# KiCad board ChunkyV2.kicad_pcb (continued)
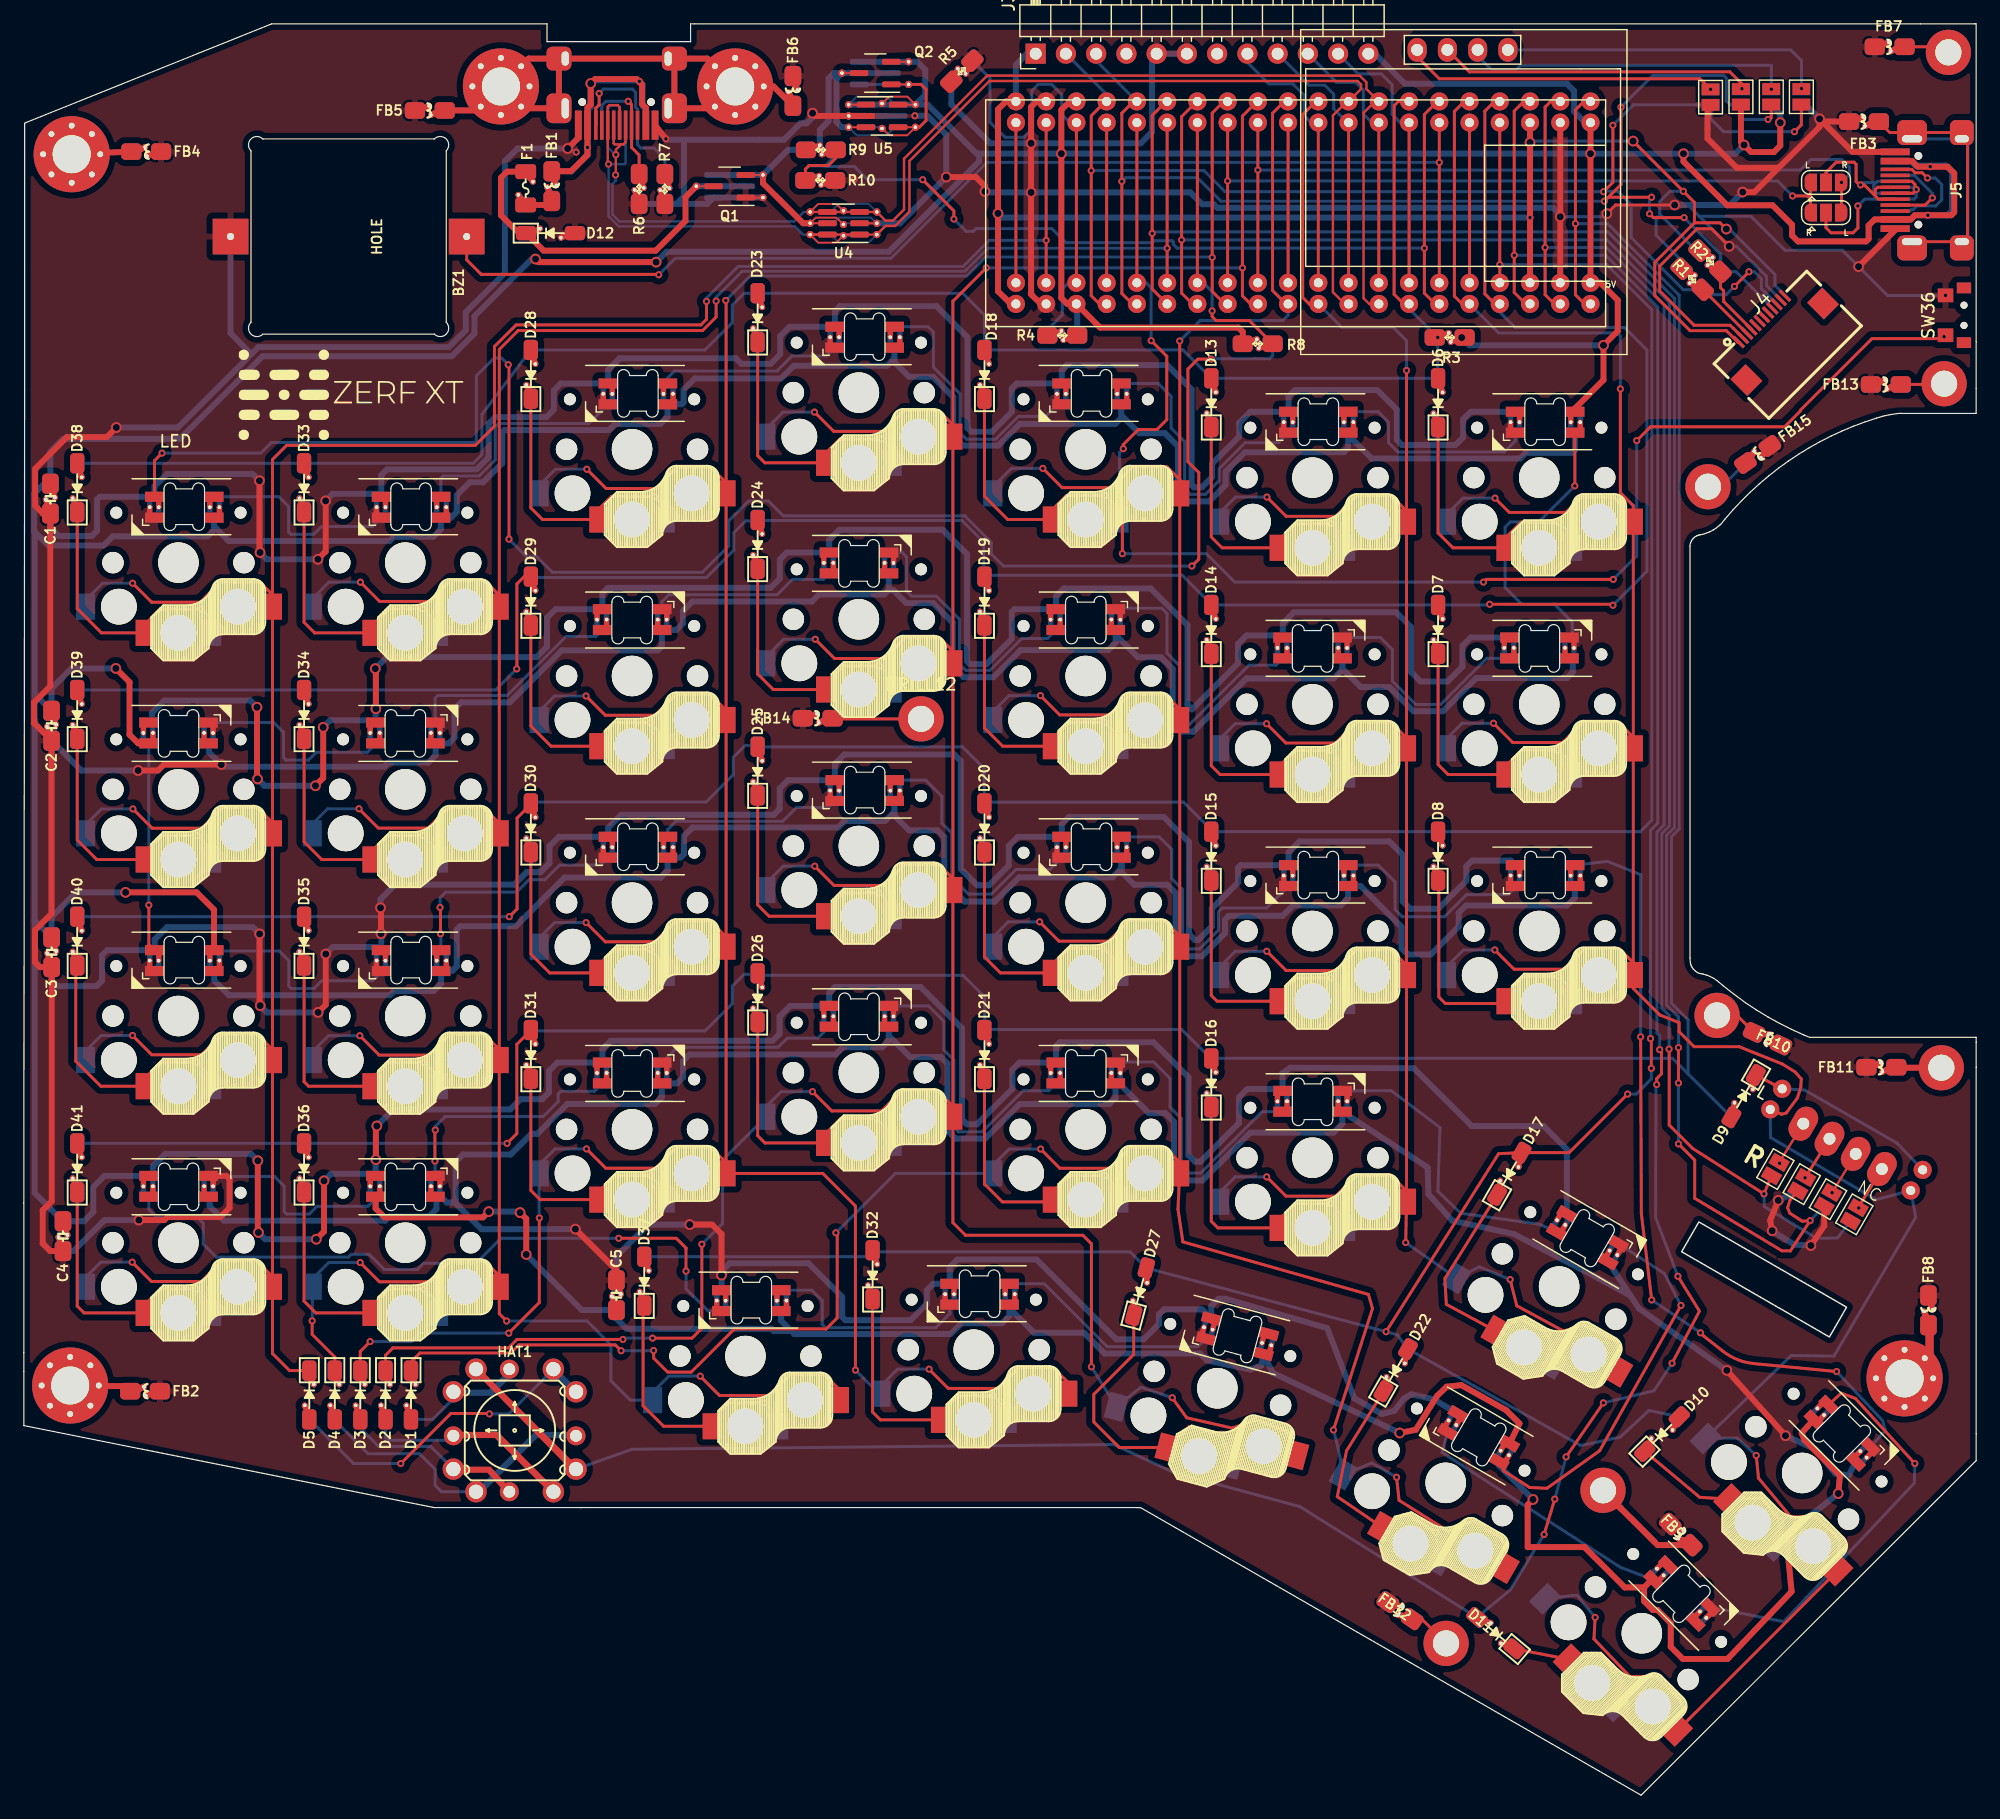
[diagram p0: board, top side]
## Footprints (pads in the part's own frame, mm; a bottom-side part is the same pattern mirrored in y, then rotated) (continued)
  custom 0.6x0.6 smd far side: 1(-2.8,0.95) 2(-2.8,-0.95) 3(2.8,0)
  rrect 1.56x0.495 smd: 1(-1.35,0.95) 2(-1.35,-0.95) 3(1.35,0)
  rrect 1.56x0.495 smd far side: 1(1.35,0.95) 2(1.35,-0.95) 3(-1.35,0)
SOT-23-5
  round 0.6 hole 0.3: 1(-2.8,0.95) 2(-2.8,0) 3(-2.8,-0.95) 4(0,-1.05) 4(2.8,-0.95) 5(0,1.05) 5(2.8,0.95)
  custom 2.5x0.6 smd: 1(-2.8,0.95) 2(-2.8,0) 3(-2.8,-0.95) 4(2.8,-0.95) 5(2.8,0.95)
  custom 5.2x1.055 smd far side: 1(-2.8,0.95) 3(-2.8,-0.95)
  rrect 1.56x0.495 smd: 1(-1.35,0.95) 2(-1.35,0) 3(-1.35,-0.95) 4(1.35,-0.95) 5(1.35,0.95)
  rrect 1.56x0.495 smd far side: 1(1.35,0.95) 2(1.35,0) 3(1.35,-0.95) 4(-1.35,-0.95) 5(-1.35,0.95)
  custom 5.2x0.6 smd far side: 2(-2.8,0)
  custom 2.4x0.6 smd far side: 4(0,-1.05) 5(0,1.05)
  custom 3.4x1.055 smd: 4(2.8,-0.95) 5(2.8,0.95)
SOT-23-6
  round 0.6 hole 0.3: 1(-2.8,0.95) 2(-2.8,0) 3(-2.8,-0.95) 4(0,-1.05) 4(2.8,-0.95) 5(0,0.1) 5(2.8,0) 6(0,1.05) 6(2.8,0.95)
  custom 2.5x0.6 smd: 1(-2.8,0.95) 2(-2.8,0) 3(-2.8,-0.95) 4(2.8,-0.95) 5(2.8,0) 6(2.8,0.95)
  custom 5.2x1.055 smd far side: 1(-2.8,0.95) 3(-2.8,-0.95)
  rrect 1.56x0.495 smd: 1(-1.35,0.95) 2(-1.35,0) 3(-1.35,-0.95) 4(1.35,-0.95) 5(1.35,0) 6(1.35,0.95)
  rrect 1.56x0.495 smd far side: 1(1.35,0.95) 2(1.35,0) 3(1.35,-0.95) 4(-1.35,-0.95) 5(-1.35,0) 6(-1.35,0.95)
  custom 5.2x0.855 smd far side: 2(-2.8,0)
  custom 2.4x0.6 smd far side: 4(0,-1.05) 5(0,0.1) 6(0,1.05)
  custom 3.4x1.055 smd: 4(2.8,-0.95) 6(2.8,0.95)
  custom 3.4x0.955 smd: 5(2.8,0)

## Nets
+3V3: J3.1 J4.1 R1.2 R2.2 U3.20 U3.38
/VBUS_BLOCKED: Q1.2 Q2.3 R9.1 U4.5 U5.3
/VBUS_FERRITE: F1.2 FB1.1
/VBUS_FUSED: D12.1 F1.1 Q1.3
GND: BZ1.2 C1.2 C2.2 C3.2 C4.2 C5.2 D12.2 FB2.2 FB3.2 FB4.2 FB5.2 FB6.2 FB7.2 FB8.2 FB9.2 FB10.2 FB11.2 FB12.2 FB13.2 FB14.2 FB15.2 J3.5 J3.6 J4.2 J5.A1 J5.B1 JP1.2 JP8.2 JP17.2 JP18.2 Q1.1 R5.2 R6.2 R7.1 R10.2 SW1.3 SW2.3 SW3.3 SW4.3 SW6.3 SW7.3 SW8.3 SW9.3 SW10.3 SW11.3 SW12.3 SW13.3 SW14.3 SW15.3 SW16.3 SW17.3 SW18.3 SW19.3 SW20.3 SW21.3 SW22.3 SW23.3 SW24.3 SW25.3 SW26.3 SW27.3 SW28.3 SW29.3 SW30.3 SW31.3 SW32.3 SW33.3 SW34.3 SW35.3 SW36.1 U3.19 U3.39 U4.2 U5.2 USB1.A1 USB1.B1
VDD: C1.1 C2.1 C3.1 C4.1 C5.1 J3.12 J5.A4 J5.B4 JP2.2 JP7.2 Q2.2 R3.1 R4.1 R8.2 SW1.1 SW2.1 SW3.1 SW4.1 SW6.1 SW7.1 SW8.1 SW9.1 SW10.1 SW11.1 SW12.1 SW13.1 SW14.1 SW15.1 SW16.1 SW17.1 SW18.1 SW19.1 SW20.1 SW21.1 SW22.1 SW23.1 SW24.1 SW25.1 SW26.1 SW27.1 SW28.1 SW29.1 SW30.1 SW31.1 SW32.1 SW33.1 SW34.1 SW35.1 U3.18 U3.40 U5.1 U5.5
/SHIELD1: DRILL3.1 FB4.1
/SHIELD4: DRILL6.1 FB7.1
/SHIELD5: DRILL7.1 FB8.1
/SHIELD6: DRILL8.1 FB9.1
/SHIELD7: DRILL9.1 FB12.1
/SHIELD8: DRILL1.1 FB2.1
/SHIELD9: DRILL2.1 FB10.1
/SHIELD10: DRILL10.1 FB13.1
/SHIELD11: DRILL12.1 FB14.1
/SHIELD12: DRILL13.1 FB15.1
/SHIELD13: DRILL11.1 FB11.1
AUDIO: BZ1.1 U3.35
cc1: R6.1 USB1.A5
cc2: R7.2 USB1.B5
col0: D5.1 SW32.6 SW33.6 SW34.6 SW35.6 U3.22
col1: D4.1 SW27.6 SW28.6 SW29.6 SW30.6 SW31.6 U3.26
col2: D3.1 SW22.6 SW23.6 SW24.6 SW25.6 SW26.6 U3.13
col3: D2.1 SW17.6 SW18.6 SW19.6 SW20.6 SW21.6 U3.12
col4: D1.1 SW12.6 SW13.6 SW14.6 SW15.6 SW16.6 U3.11
col5: SW7.6 SW8.6 SW9.6 SW10.6 SW11.6 U3.10
col6: SW1.6 SW2.6 SW3.6 SW4.6 SW5.S2 SW6.6 U3.5
CS: J3.11 U3.34
D+: U3.9 U4.1 U4.6 USB1.A6 USB1.B6
D-: U3.8 U4.3 U4.4 USB1.A7 USB1.B7
DD1: J5.A7 J5.B7 JP25.2
DD2: J5.A6 J5.B6 JP26.2
ENCA: JP19.2 JP20.2 U3.14
ENCB: JP21.2 JP22.2 U3.15
LED: R8.1 SW32.4 U3.27
M: JP19.1 JP23.1 SW5.A
MISO: J3.9 U3.32
MOSI: J3.10 U3.33
N: JP18.1 JP22.1 SW5.B
O: JP17.1 JP21.1 SW5.C
P: JP20.1 JP24.1 SW5.D
PLUG: R9.2 R10.1 U3.6
RESET: SW36.2 U3.25
row0: D6.2 D13.2 D18.2 D23.2 D28.2 D33.2 D38.2 R3.2 U3.7
row1: D7.2 D14.2 D19.2 D24.2 D29.2 D34.2 D39.2 U3.4
row2: D8.2 D15.2 D20.2 D25.2 D30.2 D35.2 D40.2 U3.37
row3: D9.2 D16.2 D21.2 D26.2 D31.2 D36.2 D41.2 U3.1
row4: D10.2 D17.2 D22.2 D27.2 D32.2 D37.2 U3.3
row5: D11.2 HAT1.4 U3.2
SCK: J3.8 U3.31
SCL: J3.3 J4.4 JP3.2 JP6.2 R2.1 U3.16
SDA: J3.2 J4.3 JP4.2 JP5.2 R1.1 U3.17
SHIELD: DRILL4.1 DRILL5.1 FB5.1 FB6.1 USB1.S1
SPLIT_HAND: R4.2 R5.1 U3.23
USART3_RX: JP25.3 JP26.3 U3.29
USART3_TX: JP25.1 JP26.1 U3.28
V_USB: FB1.2 USB1.A4 USB1.B4
Net-(D1-Pad2): D1.2 HAT1.1
Net-(D2-Pad2): D2.2 HAT1.2
Net-(D3-Pad2): D3.2 HAT1.3
Net-(D4-Pad2): D4.2 HAT1.5
Net-(D5-Pad2): D5.2 HAT1.6
Net-(D6-Pad1): D6.1 SW1.5
Net-(D7-Pad1): D7.1 SW2.5
Net-(D8-Pad1): D8.1 SW3.5
Net-(D9-Pad1): D9.1 SW5.S1
Net-(D10-Pad1): D10.1 SW4.5
Net-(D11-Pad1): D11.1 SW6.5
Net-(D13-Pad1): D13.1 SW7.5
Net-(D14-Pad1): D14.1 SW8.5
Net-(D15-Pad1): D15.1 SW9.5
Net-(D16-Pad1): D16.1 SW10.5
Net-(D17-Pad1): D17.1 SW11.5
Net-(D18-Pad1): D18.1 SW12.5
Net-(D19-Pad1): D19.1 SW13.5
Net-(D20-Pad1): D20.1 SW14.5
Net-(D21-Pad1): D21.1 SW15.5
Net-(D22-Pad1): D22.1 SW16.5
Net-(D23-Pad1): D23.1 SW17.5
Net-(D24-Pad1): D24.1 SW18.5
Net-(D25-Pad1): D25.1 SW19.5
Net-(D26-Pad1): D26.1 SW20.5
Net-(D27-Pad1): D27.1 SW21.5
Net-(D28-Pad1): D28.1 SW22.5
Net-(D29-Pad1): D29.1 SW23.5
Net-(D30-Pad1): D30.1 SW24.5
Net-(D31-Pad1): D31.1 SW25.5
Net-(D32-Pad1): D32.1 SW26.5
Net-(D33-Pad1): D33.1 SW27.5
Net-(D34-Pad1): D34.1 SW28.5
Net-(D35-Pad1): D35.1 SW29.5
Net-(D36-Pad1): D36.1 SW30.5
Net-(D37-Pad1): D37.1 SW31.5
Net-(D38-Pad1): D38.1 SW32.5
Net-(D39-Pad1): D39.1 SW33.5
Net-(D40-Pad1): D40.1 SW34.5
Net-(D41-Pad1): D41.1 SW35.5
Net-(FB3-Pad1): FB3.1 J5.S1
Net-(J1-Pad1): J1.1 JP4.1 JP8.1
Net-(J1-Pad2): J1.2 JP3.1 JP7.1
Net-(J1-Pad3): J1.3 JP2.1 JP6.1
Net-(J1-Pad4): J1.4 JP1.1 JP5.1
Net-(Q2-Pad1): Q2.1 U5.4
Net-(SW1-Pad2): SW1.2 SW2.4
Net-(SW1-Pad4): SW1.4 SW7.2
Net-(SW2-Pad2): SW2.2 SW8.4
Net-(SW3-Pad2): SW3.2 SW4.4
Net-(SW3-Pad4): SW3.4 SW9.2
Net-(SW4-Pad2): SW4.2 SW6.4
Net-(SW10-Pad2): SW10.2 SW15.4
Net-(SW10-Pad4): SW10.4 SW11.2
Net-(SW11-Pad4): SW11.4 SW16.2
Net-(SW12-Pad2): SW7.4 SW12.2
Net-(SW12-Pad4): SW12.4 SW17.2
Net-(SW13-Pad2): SW13.2 SW18.4
Net-(SW13-Pad4): SW8.2 SW13.4
Net-(SW14-Pad2): SW9.4 SW14.2
Net-(SW14-Pad4): SW14.4 SW19.2
Net-(SW15-Pad2): SW15.2 SW20.4
Net-(SW16-Pad4): SW6.2 SW16.4
Net-(SW17-Pad4): SW17.4 SW22.2
Net-(SW18-Pad2): SW18.2 SW23.4
Net-(SW19-Pad4): SW19.4 SW24.2
Net-(SW20-Pad2): SW20.2 SW25.4
Net-(SW21-Pad4): SW21.4 SW26.2
Net-(SW22-Pad4): SW22.4 SW27.2
Net-(SW23-Pad2): SW23.2 SW28.4
Net-(SW24-Pad4): SW24.4 SW29.2
Net-(SW25-Pad2): SW25.2 SW30.4
Net-(SW26-Pad4): SW26.4 SW31.2
Net-(SW27-Pad4): SW27.4 SW32.2
Net-(SW28-Pad2): SW28.2 SW33.4
Net-(SW29-Pad4): SW29.4 SW34.2
Net-(SW30-Pad2): SW30.2 SW35.4
Net-(SW31-Pad4): SW31.4 SW35.2
Net-(SW33-Pad2): SW33.2 SW34.4

Pads without a net: J3 4 7; J4 5 6 7 8 9 10 11 12 13 14; J5 A5 B5 ~; JP23 2; JP24 2; SW21 2; U3 21 24 30 36; USB1 ~

## Via types
v1: diameter 0.9, hole 0.6, Top to Bottom, 70 vias
v2: diameter 0.6, hole 0.3, Top to Bottom, 205 vias

## Routing (per net, layer and track width the routed paths; a pad name or vN(x,y) marks a point on that pad's centre or on a via; arc(x,y) is an arc through that point)
+3V3: length 140.8
  Top w0.25: 140.32,132.13 140.32,133.85 v2(139.39,134.78) v1(135.17,139) ; 140.32,132.13 136.99,128.8 136.99,126.03 139.95,123.07 143,123.07 143.96,122.11 144.04,122.11 ; 140.32,132.13 142.48,132.13 v1(143,131.61)
  Top w0.5: U3.38 v2(126.51,132.58) v1(126.51,138.88) U3.38 ; U3.20 82.89,125.32 81.82,126.39 v1(81.82,132.93) 81.82,141.67 82.49,142.34 U3.20
  Bottom w0.25: R1.2 139.24,128.95 137.1,131.09 137.1,132.52 137.2,132.62 137.65,132.62 ; R2.2 140.47,129.8 137.4,132.87 137.4,133.92 138.26,134.78 v2(139.39,134.78) ; v1(126.51,138.88) 126.63,139 v1(135.17,139) ; 147.98,125.98 147.08,126.88 147.08,127.79 143.26,131.61 v1(143,131.61)
  Bottom w0.5: U3.20 83.33,145.43 84.25,146.35 J3.1 ; v1(81.82,132.93) 82.17,132.58 v2(126.51,132.58)
/VBUS_BLOCKED: length 32.9
  Top w0.5: U4.5 65.45,132.1 62.08,135.46 Q1.2
  Bottom w0.5: 68.72,144.72 Q2.3 ; 68.72,144.72 68.25,144.26 68.25,140.62 68.71,140.17 U5.3 ; 68.72,144.72 68.06,144.72 67.59,144.26 67.59,140.69 66.86,139.95 R9.1 66.47,138.27 64.19,138.27 Q1.2 Q1.2
/VBUS_FERRITE: length 2.3
  Top w0.5: FB1.1 44.02,133.64 F1.2
/VBUS_FUSED: length 30.6
  Top w0.5: F1.1 40.59,136.44 40.08,135.92 40.08,132.78 41.58,131.27 D12.1 43.66,129.8 53.08,129.8 55.58,132.3 55.58,134.3 Q1.3
  Bottom w0.5: Q1.3 60.64,135.21
GND: length 1306.4
  Top w0.25: v1(138.66,133.63) 133.69,133.63 v1(132.96,132.9) ; 144.39,122.47 143.59,123.27 143.57,123.27 143.32,123.52 140.29,123.52 137.4,126.41 137.4,128.5 140.53,131.63 141.77,131.63 v1(143.24,130.16)
  Top w0.5: v1(150.1,46.19) 151.22,47.84 JP18.2 ; v1(77.48,135.98) 79.96,135.98 80.72,135.22 v1(80.72,134.77) ; v1(29.96,74.57) 30,74.53 v1(30,72.4) ; v1(58.6,43.7) 58.6,47.16 57.81,47.95 v1(55.93,47.95) ; v1(45.69,138.38) 46.57,139.26 USB1.A1 ; J5.A1 153.6,138.1 v1(150.83,140.87) 150.83,140.2 145.35,134.72 v1(144.38,134.72) ; v1(25.35,108.77) 25.35,104.51 v1(24.7,103.86) ; v1(9.6,86.11) 11.26,86.11 11.76,86.61 v1(16.59,86.61) ; 147.38,136.75 143.89,136.75 141.42,139.22 141.42,141.79 JP8.2 ; v1(7.77,114.93) 6.97,114.13 3.62,114.13 0.95,111.46 0.95,108.36 1.6,107.71 C1.2 2.23,93.2 0.86,91.83 0.86,90.09 C2.2 2.33,74.08 0.94,72.69 0.94,69.99 1.34,69.59 C3.2 2.34,49.91 1.59,49.16 1.59,46.36 2.22,45.73 C4.2 ; U3.39 v1(129.05,132.64) U3.39 ; U3.19 85.05,142.34 84.6,141.89 v1(84.6,138.82) v1(84.6,134.69) 84.6,126.13 85.41,125.32 U3.19 ; C5.2 49.78,44.12 v1(46.33,47.57) ; v1(154.11,128.46) 157.19,131.53 J5.A1 ; v1(19.81,72.38) 19.81,66.4 ; v1(9.66,48.33) 11.8,48.33 12.05,48.58 16.5,48.58 17.28,49.36 17.28,51.78 17.02,52.04 SW35.3 ; v1(143.04,35.7) v1(147.97,30.21) ; v1(66.25,141.34) 66.48,141.12 U5.2 U5.2 ; v1(19.79,110.46) 19.79,104.48 v1(19.84,104.43) ; v1(25.36,70.69) 25.36,66.43 v1(24.72,65.78) ; USB1.A1 v2(53.94,139.19) ; v1(147.36,49.98) 146.68,48.29 v1(146.85,47.43) ; FB3.2 151.06,140.64
  Bottom w0.25: v1(129.05,132.64) 132.7,132.64 v1(132.96,132.9) ; 147.61,125.63 146.38,126.85 146.38,127.62 143.84,130.16 v1(143.24,130.16) 140.72,132.68 ; v1(138.66,133.63) 139.77,133.63 140.72,132.68 ; 140.72,132.68 145.07,132.68 147.93,129.82 152.74,129.82 v1(154.11,128.46) 156.54,126.02 161.4,126.02 v2(161.41,126.04)
  Bottom w0.5: 54.81,133.73 55.45,134.36 55.45,139.12 ; 54.81,133.73 57.4,133.73 Q1.1 Q1.1 ; 54.81,133.73 R7.1 R6.2 ; J5.A1 153.6,138.1 v1(150.83,140.87) 149.65,142.05 JP1.2 ; 34.6,88.39 34.6,87.41 33.97,86.78 30.65,86.78 30.3,86.43 16.77,86.43 v1(16.59,86.61) 15.55,87.65 15.55,88.39 ; C3.2 2.34,68.46 2.81,67.99 6.11,67.99 6.57,68.45 6.57,70.58 7,71.01 SW34.3 ; v1(150.1,46.19) 148.7,46.26 v1(146.85,47.43) ; 19.11,121.11 17.36,122.86 BZ1.2 ; 19.11,121.11 12.94,114.93 v1(7.77,114.93) ; 19.11,121.11 19.7,121.69 35.7,121.69 37.12,123.11 37.12,124.63 40.41,127.92 40.41,137.32 41.47,138.38 v1(45.69,138.38) 46.57,139.26 USB1.A1 ; v1(66.25,141.34) 66.25,141 65.75,140.5 65.22,140.5 63.85,139.12 55.45,139.12 ; 34.66,50.24 34.66,49.26 34.03,48.63 30.71,48.63 30.36,48.28 16.83,48.28 15.61,49.5 15.61,50.24 ; J3.6 J3.5 94.76,145.96 94.76,139.77 93.81,138.82 v1(84.6,138.82) 81.18,138.82 77.9,142.09 77.9,144 ; 134.95,41.97 135.67,40.89 v1(143.04,35.7) ; 134.95,41.97 SW11.3 ; 134.95,41.97 132.26,43.43 125.17,47.15 119.96,48.29 117.98,50.52 117.91,52.76 SW10.3 110.75,56.42 110.01,55.68 103.01,55.68 98.99,51.66 97.14,51.66 96.61,52.19 96.61,56.58 95.87,57.32 94.49,57.32 91.99,59.82 SW15.3 91.7,58.61 91.17,58.08 83.65,58.08 80.75,55.18 78.25,55.18 77.58,55.85 77.58,61.48 77.02,62.04 74.43,62.04 72.65,63.82 ; v1(147.97,30.21) 150.5,29.06 152.14,27.03 153.28,26.88 SW4.3 ; SW2.3 130.1,95.23 130.1,94.38 129.6,93.88 121.99,93.88 119.2,91.09 116.73,91.09 114.69,93.13 112.28,93.13 110.75,94.66 ; v1(9.66,48.33) 6.77,48.33 4.17,45.73 C4.2 ; v1(19.81,72.38) 19.23,72.95 12.03,72.95 10.99,71.91 10.99,71.03 ; SW1.3 121.53,116.26 120.89,115.62 120.89,114.11 120.25,113.47 115.75,113.47 115.32,113.9 115.32,116.44 113.68,118.08 106.75,118.08 106.23,117.56 SW7.3 103.02,116.26 102.08,115.32 102.08,114.17 99.81,111.9 99.81,110.77 98.95,109.91 98.27,109.91 98.09,110.09 98.09,118.13 96.04,120.18 87.61,120.18 87.18,119.75 SW12.3 83.4,118.64 82.98,118.22 82.98,116.24 81.32,114.58 79.58,114.58 79.26,114.9 79.26,122.53 76.66,125.13 68.54,125.13 68.13,124.72 SW17.3 64.32,123.4 63.53,122.61 63.53,121.09 62.72,120.28 60.28,120.28 59.81,120.75 50.04,120.75 49.08,119.79 SW22.3 45.11,118.64 44.52,118.05 44.52,116.44 43.89,115.81 39.59,115.81 39.04,115.26 39.04,112.43 38.03,111.42 30.51,111.42 30.03,110.94 SW27.3 29.78,109.36 25.94,109.36 v1(25.35,108.77) ; 29.8,71.28 25.95,71.28 v1(25.36,70.69) ; v1(19.79,110.46) 19.22,111.03 12.02,111.03 10.98,109.99 SW32.3 6.37,109.11 6.15,108.89 6.15,106.26 5.71,105.82 2.92,105.82 2.23,106.51 C1.2 ; 55.45,139.12 54,139.12 v2(53.94,139.19) 53.02,140.1 USB1.A1 ; 72.65,101.28 SW18.3 ; 72.65,101.28 72.28,100.91 66.79,100.91 66.19,100.31 56.15,100.31 55.36,99.52 55.36,98.48 54.8,97.92 SW23.3 53.6,96.54 53.27,96.21 45.19,96.21 40.82,91.84 36.73,91.84 36.18,91.29 36.18,88.88 35.69,88.39 SW28.3 ; 72.65,101.28 73.02,101.28 74.12,100.18 76.38,100.18 78.02,98.54 78.02,94.87 78.94,93.95 81.44,93.95 83.72,96.23 91.08,96.23 91.7,96.85 SW13.3 ; v1(30,72.4) 30.03,72.37 SW29.3 ; 36.27,50.07 36.27,49.74 38.44,47.57 v1(46.33,47.57) ; 36.27,50.07 36.27,53.23 36.88,53.84 40.89,53.84 42.63,55.58 43.14,55.58 45.65,58.09 53.02,58.09 53.6,58.67 SW25.3 54.87,59.82 55.37,60.32 55.37,61.71 55.91,62.25 68.19,62.25 68.79,62.85 72.09,62.85 72.65,63.41 SW20.3 ; 36.27,50.07 36,49.8 35.53,49.8 35.04,50.29 SW30.3 ; SW31.3 v1(58.6,43.7) 58.6,44.01 59.29,44.7 65.91,44.7 68.74,41.87 68.74,40.19 69.01,39.92 74.48,39.92 75.85,41.29 75.85,42.43 76.39,42.98 SW26.3 77.78,44.39 78.4,45.01 85.07,45.01 91.77,38.31 94.06,38.31 95.35,39.6 95.35,40.4 95.78,40.83 98.97,40.83 SW21.3 99.74,41.11 100.35,41.72 100.94,41.72 109.47,39.25 111.75,33.35 114.08,32.03 115.12,32.31 115.9,33.32 116.53,33.69 118.43,33.27 SW16.3 ; C5.2 49.78,45.3 52.43,47.95 v1(55.93,47.95) ; v1(138.66,133.63) 143.29,133.63 v1(144.38,134.72) ; v1(29.96,74.57) 29.96,75.3 31.18,76.52 41.19,76.52 42.24,77.57 43.4,77.57 44.15,78.32 44.15,79.75 44.94,80.54 SW24.3 49.08,81.3 50.17,82.39 62.99,82.39 63.49,82.89 63.49,84.6 64.19,85.3 SW19.3 68.13,86.67 68.92,87.46 78.15,87.46 78.7,86.91 78.7,77.84 80.07,76.47 81.08,76.47 82.72,78.11 82.72,79.77 83.49,80.54 SW14.3 87.18,81.61 87.78,82.21 95.74,82.21 97.87,80.08 97.87,72.36 98.36,71.87 98.64,71.87 99.78,73.01 99.78,74.5 101.98,76.7 101.98,77.94 102.2,78.16 SW9.3 106.23,79.23 107.15,80.15 114.69,80.15 115.82,79.02 115.82,75.11 116.44,74.49 118.8,74.49 121.16,76.85 121.16,78.06 121.64,78.54 124.89,78.54 SW3.3 ; U5.2 U5.2 ; v1(80.72,134.77) 80.81,134.69 v1(84.6,134.69) 97.98,134.69 98.97,133.69 99.95,133.69 100.25,133.4 128.45,133.4 129.05,132.8 v1(129.05,132.64) ; v2(74.84,141.13) 75.89,141.13 77.48,139.54 v1(77.48,135.98) 73.59,132.1 U4.2 ; v1(19.86,66.35) 20.42,65.78 v1(24.72,65.78) ; J5.A1 157.19,131.53 v1(154.11,128.46) ; v1(147.36,49.98) JP17.2 ; v1(9.6,86.11) 4.84,86.11 C2.2 ; v1(19.84,104.43) 20.41,103.86 v1(24.7,103.86) ; 91.7,97.51 93.58,95.63 95.51,95.63 96.5,94.64 96.5,90.01 97.13,89.38 98.23,89.38 102.7,93.85 110.02,93.85 110.75,94.58 SW8.3
  vias: v2(46.39,138.08) v2(69.72,135.77)
VDD: length 1296.5
  Top w0.5: v1(147.53,140.55) 147.53,138.62 146.99,138.08 145.08,138.08 v1(144.49,138.68) 144.22,138.94 JP7.2 ; v1(53.11,128.83) 43.24,128.83 v1(42.98,129.09) ; J5.A4 158.6,137.32 159.07,136.85 v2(160.12,136.85) 161.59,136.85 162.14,136.3 162.14,133.02 161.89,132.77 v2(159.93,132.77) 158.85,132.77 158.5,132.42 J5.A4 155.46,132.42 154.95,131.91 154.95,130.78 154.74,130.57 149.02,130.57 148.52,131.07 148.52,131.97 146.88,133.61 143.07,133.61 139.4,137.28 v1(139.4,137.94) ; v1(29.57,53.41) 29.57,56.16 v1(29.65,56.24) ; R8.2 102.39,122.96 102.02,123.33 90.4,123.33 U3.18 87.64,125.32 87.15,125.82 v1(87.15,137.95) 87.15,141.63 87.85,142.34 U3.18 ; SW16.1 125.62,31.24 124.52,32.34 120.74,34.46 119.51,34.33 118.71,33.56 116.92,30.71 v1(115.56,30.44) ; v1(42.2,45.44) 42.2,48.44 v1(41.68,48.96) ; SW30.1 29.55,49.31 30.3,48.56 38.57,48.56 v1(39.05,49.04) ; 136.09,17.46 136.09,16.3 136.82,15.57 137.22,15.57 138.33,14.46 138.33,12.47 139.35,11.45 143.1,11.45 143.19,11.54 148.48,17.11 148.11,20.92 v1(148.99,22.66) ; 136.09,17.46 134.47,17.46 131.08,20.85 126.31,20.85 126.31,24.4 v1(126.76,24.85) ; 136.09,17.46 136.73,18.1 SW6.1 ; 120.76,122.5 v1(120.77,122.49) ; v1(152.4,25.35) 152.54,26.87 149.57,29.82 149.33,30.44 SW4.1 ; SW34.1 15.98,74.41 14.52,75.87 v1(8.55,75.87) ; U3.40 v1(131.59,137.94) U3.40 132.42,127.1 133.88,125.63 133.88,123.04 v1(132.68,121.84) 132.68,118.93 130.28,116.53 SW1.1 ; v1(25.14,89.74) 25.14,85.48 v1(24.5,84.83) ; v1(29.52,94.67) 29.57,94.62 v1(29.57,91.3) ; v1(19.66,53.32) 19.66,47.34 ; SW33.1 9.61,88.39 8.88,89.12 8.88,93.54 v1(7.73,94.69) ; v1(25.22,51.63) 25.22,47.37 v1(24.56,46.72) ; v1(19.58,91.43) 19.58,85.45
  Bottom w0.5: 10.84,51.97 10.84,52.85 11.89,53.89 19.08,53.89 v1(19.66,53.32) ; v1(29.52,94.67) 30.49,95.64 43.07,95.64 43.94,96.51 43.94,98.94 44.67,99.67 SW23.1 48.6,101 49.06,101.46 62.72,101.46 63.5,102.24 63.5,103.84 64.09,104.43 SW18.1 67.65,105.49 68.5,106.34 77.17,106.34 79.22,104.29 79.22,95.29 79.46,95.05 80.86,95.05 82.98,97.17 82.98,99.45 83.2,99.67 SW13.1 86.7,100.77 87.34,101.41 94.66,101.41 97.74,98.33 97.74,91.61 98.09,91.26 98.13,91.26 101.98,95.11 101.98,96.74 102.7,97.46 105.57,97.46 SW8.1 105.75,98.48 106.68,99.41 115.27,99.41 116.51,98.17 116.51,94.4 117.32,93.59 119.59,93.59 120.83,94.83 120.83,96.58 121.54,97.29 SW2.1 ; v1(53.11,128.83) 53.98,129.7 72.64,129.7 80.25,137.31 80.25,137.95 ; v1(39.05,49.04) 41.6,49.04 v1(41.68,48.96) ; SW12.1 92.18,115.75 91.67,115.24 83.66,115.24 81.84,113.42 78.86,113.42 78.07,114.21 78.07,117.49 76.36,119.2 74.35,119.2 73.13,120.42 SW17.1 ; 0.92,92.54 0.92,73.52 ; 0.92,92.54 0.92,106.17 ; 0.92,92.54 C2.1 2.33,93.01 4.01,94.69 v1(7.73,94.69) ; 0.92,73.52 C3.1 2.34,73.81 4.4,75.87 v1(8.55,75.87) ; 0.92,73.52 0.92,50.61 3.29,48.23 5.05,48.23 5.84,49.02 5.84,51.11 6.77,52.04 SW35.1 ; v1(132.68,121.84) 121.42,121.84 v1(120.77,122.49) ; Q2.2 Q2.2 75.04,145.67 75.72,145 75.72,142.9 74.88,142.07 ; SW31.1 63.6,39.87 64.46,39.02 ; 64.46,39.02 64.44,39 63,39 62.8,39.2 50.62,39.2 49.78,40.05 C5.1 46.87,40.77 v1(42.2,45.44) ; 64.46,39.02 64.71,38.76 77.85,38.76 78.75,39.66 82.16,39.66 82.78,40.28 SW26.1 ; 111.23,114.31 113.21,112.33 125.68,112.33 126.16,112.81 130.06,112.81 130.28,113.03 SW1.1 ; v1(29.57,53.41) 29.55,53.39 SW30.1 ; 73.13,82.66 72.34,81.87 68.93,81.87 68.89,81.83 68.89,81.82 68.39,81.32 56.17,81.32 55.45,80.6 55.45,79.09 55.15,78.79 SW24.1 54.08,77.7 53.5,77.12 45.42,77.12 41.33,73.03 36.65,73.03 36.37,72.75 36.37,69.65 35.98,69.26 SW29.1 ; 92.18,115.97 93.69,114.46 95.84,114.46 96.94,113.36 96.94,109.47 97.69,108.72 99.56,108.72 100.94,110.1 100.94,111.23 102.56,112.85 110.87,112.85 111.23,113.21 SW7.1 ; U5.1 74.88,142.07 ; 74.88,142.07 75.91,142.07 80.03,137.95 80.25,137.95 ; v1(19.58,91.43) 19.02,92 11.81,92 10.77,90.96 10.77,90.08 ; 35.05,69.19 35.05,68.21 34.42,67.58 31.1,67.58 30.75,67.23 17.22,67.23 16,68.45 16,69.19 ; J5.A4 158.45,132.42 158.79,132.76 161.56,132.76 161.95,133.15 161.95,136.4 161.4,136.95 158.88,136.95 158.51,137.32 J5.A4 ; J3.12 113.48,146.35 116.01,143.82 129.61,143.82 130.21,143.22 130.21,141.49 131.14,140.56 U3.40 ; v1(148.99,22.66) v1(152.4,25.35) ; 80.25,137.95 v1(87.15,137.95) 131.59,137.95 v1(131.59,137.94) v1(139.4,137.94) 143.75,137.94 v1(144.49,138.68) ; v1(24.56,46.72) 20.28,46.72 v1(19.7,47.29) ; v1(25.22,51.63) 25.81,52.22 29.65,52.22 ; v1(29.65,56.24) 31.04,57.63 40.86,57.63 41.72,58.49 43.55,58.49 44.1,59.04 44.1,60.86 44.81,61.57 SW25.1 48.6,62.7 49.3,63.4 62.9,63.4 63.48,63.98 63.48,65.44 64.37,66.33 SW20.1 67.65,67.43 68.14,67.92 75.32,67.92 78.8,64.44 78.8,56.79 79.21,56.38 80.05,56.38 83.03,59.36 83.03,60.97 83.63,61.57 SW15.1 86.7,62.95 87.02,63.27 94.89,63.27 97.82,60.34 97.82,53.79 98.37,53.24 98.82,53.24 102.06,56.48 102.06,58.65 102.75,59.34 105.59,59.34 SW10.1 105.71,60.68 106.38,61.13 116.75,61.09 121.61,56.23 127.65,56.23 129.61,54.27 SW11.1 ; v1(24.5,84.83) 20.2,84.83 v1(19.64,85.4) ; v1(115.56,30.44) 104.89,35.5 SW21.1 103.96,36.11 103.02,35.77 99.37,36.54 98.79,37.12 90.78,37.12 89.04,38.86 84.85,38.86 82.78,40.93 ; v1(42.98,129.09) 42.65,129.09 37.85,124.29 37.85,122.83 35.94,120.92 20.05,120.92 13.11,113.98 3.3,113.98 2.23,112.91 2.23,110.21 1.71,110.21 0.87,109.37 0.87,106.21 0.92,106.17 ; SW19.1 73.13,82.31 74.36,81.08 76.75,81.08 77.31,80.52 77.31,76.81 79.02,75.1 81.55,75.1 83.58,77.13 91.42,77.13 92.23,77.94 92.23,78.74 SW14.1 92.18,77.6 93.27,76.51 96.05,76.51 96.74,75.82 96.74,71.27 97.51,70.5 98.95,70.5 100.89,72.44 100.89,73.58 101.21,73.9 105.73,73.9 106.61,74.78 110.63,74.78 111.23,75.38 SW9.1 112.27,76.41 115.72,72.96 115.72,71.17 116.24,70.65 118.18,70.65 120.52,72.99 120.52,74.15 121.14,74.77 129.64,74.77 130.28,75.41 SW3.1 ; SW32.1 15.98,106.62 16.12,106.48 ; R4.1 88.47,125.25 U3.18 ; 16.12,106.48 15.43,105.79 7.47,105.79 6.7,105.02 2.06,105.02 0.92,106.17 ; 16.12,106.48 17.2,105.4 30.73,105.4 31.08,105.75 34.4,105.75 35.03,106.38 SW27.1 35.89,107.36 36.37,107.84 36.37,109.25 37.45,110.33 38.57,110.33 40.18,111.94 40.18,114.54 40.36,114.72 49.15,114.72 49.66,115.23 53.46,115.23 54.08,115.85 SW22.1 55.26,116.89 55.42,117.05 55.42,118.12 56.36,119.06 63.61,119.06 64.67,120.12 72.49,120.12 73.13,120.76 ; 29.58,90.33 25.73,90.33 v1(25.14,89.74) ; v1(126.76,24.85) 123.91,27.7 SW16.1 ; JP2.2 147.53,141.26 v1(147.53,140.55) ; v1(29.57,91.3) 29.55,91.28 SW28.1
/SHIELD1: length 5
  Top w0.5: DRILL3.1 FB4.1
/SHIELD4: length 3.9
  Top w0.25: DRILL6.1 161.18,146.93 FB7.1
/SHIELD5: length 7.8
  Top w0.5: 160.18,36.72 160.18,39.3 FB8.1 159.97,34.52
/SHIELD6: length 16.6
  Top w0.5: 134.16,24.06 135.26,22.99 136.97,21.28 ; 134.16,24.06 133.37,24.84 ; 134.16,24.06 DRILL8.1 136.97,21.28 ; 136.97,21.28 137.23,21.02 FB9.1
/SHIELD7: length 3.7
  Top w0.25: DRILL9.1 117.44,14.78 FB12.1
/SHIELD8: length 4.2
  Top w0.5: 4.28,34.38 8.5,34.38
/SHIELD9: length 3.7
  Top w0.25: FB10.1 143.89,65.53 DRILL2.1
/SHIELD10: length 3.7
  Top w0.25: FB13.1 161.23,118.55 DRILL10.1
/SHIELD11: length 7.8
  Top w0.25: FB14.1 67.99,90.44 75.67,90.44
/SHIELD12: length 4
  Bottom w0.25: FB15.1 142.61,109.96 DRILL13.1
/SHIELD13: length 3.8
  Top w0.5: DRILL11.1 157.31,61.13 FB11.1
AUDIO: length 101.5
  Top w0.25: 53.31,127.8 38.46,127.8 38.44,127.78 37.2,129.03 BZ1.1 ; U3.35 v2(118.89,137.21) U3.35
  Bottom w0.25: v2(118.89,137.21) 80.89,137.21 72.83,129.15 54.71,129.15 v2(53.33,127.77)
cc1: length 10.5
  Top w0.25: R6.1 51.67,136.24 51.67,137.84 51.05,138.47 51.05,142.07 v2(50.77,142.35)
  Bottom w0.25: USB1.A5 48.55,142 48.89,142.35 v2(50.77,142.35)
cc2: length 14.7
  Top w0.25: v2(48.33,143.01) 48.33,142.05 48.05,141.77 USB1.B5
  Bottom w0.25: R7.2 53.84,137.52 52.94,138.42 51.83,138.42 51.55,138.71 USB1.B5 51.56,140.35 51.56,141.68 51.39,141.85 51.39,143.11 51.11,143.38 48.69,143.38 v2(48.33,143.01)
col0: length 247.9
  Top w0.25: U3.22 v2(85.87,130.66) U3.22 ; 20.83,80.82 20.83,81.77 19.59,83.01 16.71,83.01 14.96,81.26 10.78,81.26 v2(9.16,82.88) ; v2(9.14,101.85) 10.74,100.25 14.81,100.25 16.52,101.96 19.81,101.96 20.89,100.88 ; v2(57.34,125.53) 57.34,124.02 56.87,123.55 41.35,123.55 39.53,121.73 39.53,115.04 37.92,113.43 22.07,113.43 20.89,112.25 SW32.6 SW33.6 SW34.6 SW35.6 20.89,37.11 22.32,35.68 D5.1 ; 20.77,42.73 20.77,43.68 19.53,44.92 16.65,44.92 14.9,43.17 10.72,43.17 v2(9.1,44.79) ; v2(9.13,63.84) 10.75,62.22 14.93,62.22 16.68,63.97 19.56,63.97 20.8,62.73 20.8,61.78
  Bottom w0.25: v2(9.1,44.79) 6.46,44.79 5.07,43.4 5.07,42.73 ; v2(57.34,125.53) 57.34,125.81 60,128.47 78.9,128.47 81.09,130.66 v2(85.87,130.66) ; v2(9.14,101.85) 6.61,101.85 5.19,100.43 SW32.6 ; v2(9.16,82.88) 6.52,82.88 5.13,81.49 5.13,80.82 ; 5.1,61.78 5.1,62.45 6.49,63.84 v2(9.13,63.84)
col1: length 278.7
  Top w0.25: v2(28.25,44.76) 29.87,43.14 34.05,43.14 35.8,44.89 38.68,44.89 39.92,43.65 39.92,42.7 ; v2(28.22,63.82) 29.84,62.2 34.02,62.2 35.77,63.95 38.65,63.95 39.89,62.71 39.89,61.76 ; 39.82,80.83 39.82,81.78 38.58,83.02 35.7,83.02 33.95,81.27 29.77,81.27 v2(28.15,82.89) ; U3.26 v2(96.03,130) U3.26 ; D4.1 26.12,36.82 24.22,38.72 v2(24.22,39.86) ; v2(28.27,101.94) 29.89,100.32 34.07,100.32 35.82,102.07 38.7,102.07 39.94,100.83 ; v2(58.15,125.56) 58.15,124.22 57.01,123.08 41.52,123.08 39.94,121.5 SW27.6 SW28.6 SW29.6 SW30.6 39.94,40.46 v2(40.55,39.85) ; v2(56.81,35.21) 58.43,33.59 62.61,33.59 64.36,35.34 67.24,35.34 68.48,34.1 68.48,33.15
  Bottom w0.25: v2(28.27,101.94) 25.63,101.94 24.24,100.55 SW27.6 ; v2(58.15,125.56) 58.15,125.88 60.33,128.06 79.05,128.06 80.99,130 v2(96.03,130) ; v2(28.22,63.82) 25.58,63.82 24.19,62.43 24.19,61.76 ; v2(56.81,35.21) 54.17,35.21 52.78,33.82 52.78,33.15 ; v2(24.22,39.86) 24.24,39.88 SW30.6 ; SW31.6 50.94,33.2 49.31,34.83 49.31,37.85 47.31,39.85 v2(40.55,39.85) ; v2(28.25,44.76) 25.61,44.76 24.22,43.37 24.22,42.7 ; 24.12,80.83 24.12,81.5 25.51,82.89 v2(28.15,82.89)
col2: length 291.2
  Top w0.25: 87.7,33.74 87.7,34.69 86.46,35.93 83.58,35.93 81.83,34.18 77.65,34.18 v2(76.03,35.8) ; D3.1 28.26,37.29 v2(29.09,38.12) ; U3.13 100.79,142.34 99.81,141.36 v2(99.81,129.23) 99.81,126.38 100.87,125.32 U3.13 ; 58.89,71.27 58.89,72.22 57.65,73.46 54.77,73.46 53.02,71.71 48.84,71.71 v2(47.22,73.33) ; 58.96,109.37 58.96,110.32 57.72,111.56 54.84,111.56 53.09,109.81 48.91,109.81 v2(47.29,111.43) ; v2(58.96,125.61) 58.99,125.59 SW22.6 SW25.6 67.11,52.25 69.85,49.51 v2(69.85,35.72) ; v2(40.73,38.83) 43.3,41.4 v2(43.3,48.51) ; v2(47.26,54.31) 48.88,52.69 53.06,52.69 54.81,54.44 57.69,54.44 58.93,53.2 58.93,52.25 ; 58.89,90.31 58.89,91.26 57.65,92.5 54.77,92.5 53.02,90.75 48.84,90.75 v2(47.22,92.37)
  Bottom w0.25: v2(99.81,129.23) 99.78,129.26 80.79,129.26 79.2,127.67 61.02,127.67 v2(58.96,125.61) ; SW25.6 43.29,48.52 v2(43.3,48.51) ; v2(47.22,73.33) 44.58,73.33 43.19,71.94 43.19,71.27 ; 43.19,90.31 43.19,90.98 44.58,92.37 v2(47.22,92.37) ; SW26.6 71.83,33.74 v2(69.85,35.72) ; v2(40.73,38.83) 33.25,38.83 32.54,38.12 v2(29.09,38.12) ; 72,33.74 72,34.41 73.39,35.8 v2(76.03,35.8) ; 43.23,52.25 43.23,52.92 44.62,54.31 v2(47.26,54.31) ; v2(47.29,111.43) 44.65,111.43 43.26,110.04 43.26,109.37
col3: length 294.6
  Top w0.25: v2(96.46,33.4) 97.67,31.72 101.49,30.85 103.47,31.53 106.09,30.57 SW21.6 ; 78.08,114.17 78.08,115.12 76.84,116.36 73.96,116.36 72.21,114.61 68.03,114.61 v2(66.41,116.23) ; 78.14,95.08 78.14,96.03 76.9,97.27 74.02,97.27 72.27,95.52 68.09,95.52 v2(66.47,97.14) ; U3.12 103.03,125.32 102.35,126 102.35,141.11 103.58,142.34 U3.12 ; 77.91,57.06 77.91,58.01 76.67,59.25 73.79,59.25 72.04,57.5 67.86,57.5 v2(66.24,59.12) ; v2(89.67,36) 89.67,46.34 88.96,47.05 79.1,47.05 78.04,48.11 SW20.6 SW17.6 78.04,125.55 v2(80.84,128.35) ; 78.1,76.01 78.1,76.96 76.86,78.2 73.98,78.2 72.23,76.45 68.05,76.45 v2(66.43,78.07) ; v2(52.81,38.41) 56.12,38.41 56.95,39.24 v2(56.95,46.3) ; D2.1 30.38,36.97 31,37.59 40.71,37.59 41.42,38.3 v2(50.32,38.3)
  Bottom w0.25: v2(56.95,46.3) 58.69,48.04 58.69,53.37 SW20.6 ; v2(102.35,128.35) 102.35,128.35 v2(80.84,128.35) ; 62.44,95.08 62.44,95.75 63.83,97.14 v2(66.47,97.14) ; 62.4,76.01 62.4,76.68 63.79,78.07 v2(66.43,78.07) ; v2(89.67,36) SW21.6 93.82,34.28 v2(96.46,33.4) ; 62.21,57.06 62.21,57.73 63.6,59.12 v2(66.24,59.12) ; v2(50.32,38.3) 50.43,38.41 v2(52.81,38.41) ; v2(66.41,116.23) 63.77,116.23 62.38,114.84 62.38,114.17
col4: length 298.5
  Top w0.25: 97.06,90.34 97.06,91.29 95.82,92.53 92.94,92.53 91.19,90.78 87.01,90.78 v2(85.39,92.4) ; v2(115.3,26.72) 115.51,24.78 119.63,22.19 121.41,22.92 121.8,23.03 124.03,21.68 124.5,20.92 SW16.6 ; 96.99,71.33 96.99,72.28 95.75,73.52 92.87,73.52 91.12,71.77 86.94,71.77 v2(85.32,73.39) ; U3.11 105.88,142.34 104.88,141.34 104.88,126.45 106.01,125.32 U3.11 ; D1.1 32.52,36.41 33.27,37.16 40.91,37.16 41.59,37.84 49.68,37.84 v2(50.17,37.35) ; 97.07,52.24 97.07,53.19 95.83,54.43 92.95,54.43 91.2,52.68 87.02,52.68 v2(85.4,54.3) ; 97.26,109.44 97.26,110.39 96.02,111.63 93.14,111.63 91.39,109.88 87.21,109.88 v2(85.59,111.5) ; v2(110,30.69) 113.28,40.89 112.94,42.08 97.35,46.5 96.94,49.26 SW15.6 SW12.6 v2(97.09,122.21) ; v2(52.9,37.37) 52.9,36.73 54.07,35.56 56.06,35.56 59.68,39.18 67.39,39.18 68.32,40.11 68.32,47.15 v2(68.21,47.26)
  Bottom w0.25: v2(52.9,37.37) 52.88,37.35 v2(50.17,37.35) ; v2(115.3,26.72) 113.22,27.92 SW16.6 110.82,27.05 110.36,29.3 v2(110,30.69) ; 81.37,52.24 81.37,52.91 82.76,54.3 v2(85.4,54.3) ; v2(85.32,73.39) 82.68,73.39 81.29,72 81.29,71.33 ; v2(85.39,92.4) 82.75,92.4 81.36,91.01 81.36,90.34 ; 97.1,122.22 98.8,123.92 105.74,123.92 106.19,124.37 U3.11 ; v2(85.59,111.5) 82.95,111.5 81.56,110.11 81.56,109.44 ; SW15.6 73.2,52.25 v2(68.21,47.26)
col5: length 206.8
  Top w0.25: U3.10 108.52,142.34 107.41,141.23 107.41,125.87 107.96,125.32 U3.10 ; v2(116.14,119.73) SW7.6 SW10.6 v2(116.07,46.44) ; 116.06,49.9 116.06,50.85 114.82,52.09 111.94,52.09 110.19,50.34 106.01,50.34 v2(104.39,51.96) ; SW11.6 133.87,38.11 131.01,39.54 129.33,39 125.4,41.13 v2(124.84,43.33) ; 116.07,68.86 116.07,69.81 114.83,71.05 111.95,71.05 110.2,69.3 106.02,69.3 v2(104.4,70.92) ; v2(104.41,109.09) 106.03,107.47 110.21,107.47 111.96,109.22 114.84,109.22 116.08,107.98 116.08,107.03 ; v2(104.38,90.04) 106,88.42 110.18,88.42 111.93,90.17 114.81,90.17 116.05,88.93 116.05,87.98
  Bottom w0.25: v2(104.4,70.92) 101.76,70.92 100.37,69.53 100.37,68.86 ; v2(104.41,109.09) 101.77,109.09 100.38,107.7 100.38,107.03 ; v2(116.14,119.73) 116.14,122.22 115.01,123.35 110.7,123.35 U3.10 ; v2(124.84,43.33) 122.25,44.4 SW11.6 v2(116.07,46.44) ; v2(104.39,51.96) 101.75,51.96 100.36,50.57 100.36,49.9 ; v2(104.38,90.04) 101.74,90.04 100.35,88.65 100.35,87.98
col6: length 269.5
  Top w0.25: 135.11,88.02 135.11,88.97 133.87,90.21 130.99,90.21 129.24,88.46 125.06,88.46 v2(123.44,90.08) ; v2(123.57,109) 124.77,107.8 129.52,107.8 130.82,109.1 133.51,109.1 135.19,107.42 ; v2(123.55,71.03) 125.17,69.41 129.35,69.41 131.1,71.16 133.98,71.16 135.22,69.92 135.22,68.97 ; SW5.S2 147.65,57.22 148.04,57.34 148.97,58.6 149.25,59.49 149.3,60.19 148.76,60.79 147.69,61.45 144.06,62.9 140.29,62.9 139.03,64.16 139.03,64.92 137.41,65.57 135.19,67.79 SW3.6 SW2.6 135.19,108.36 134.1,109.45 v2(134.1,118.18) ; v2(145.51,28.55) 145.7,26.65 148.41,23.39 150.56,23.39 152.53,21.5 SW4.6 SW6.6 139.37,7.28 139.14,8.02 137.15,9.98 134.89,9.98 131.88,13.13 v2(131.98,14.94) ; U3.5 120.81,125.32 120.16,125.98 120.16,141.5 120.99,142.34 U3.5
  Bottom w0.25: v2(123.44,90.08) 120.8,90.08 119.41,88.69 119.41,88.02 ; v2(145.51,28.55) 143.91,30.02 SW4.6 148.45,36.95 152.04,36.9 158.91,48.57 SW5.S2 155.57,50.05 146.71,55.27 SW5.S2 ; U3.5 123.87,122.88 133.83,122.88 134.1,122.61 v2(134.1,118.18) ; v2(131.98,14.94) 130.46,16.8 130.04,16.77 SW6.6 ; v2(123.55,71.03) 120.91,71.03 119.52,69.64 119.52,68.97 ; v2(123.57,109) 120.88,109 119.49,107.61 SW1.6
CS: length 23.3
  Top w0.25: U3.34 U3.34
  Bottom w0.25: J3.11 110.39,146.34 112.08,144.65 114.02,144.65 114.93,143.74 114.93,141.24 115.61,140.56 U3.34
D+: length 111.1
  Top w0.2: U4.6 U4.1 U4.1 ; U4.1 72.37,131.87 73.19,131.87 74.38,133.06 74.38,137.33 81.1,144.05 112.02,144.05 112.31,143.76 112.31,143.38 U3.9 111.13,142.34 109.96,141.16 109.96,126.31 110.94,125.32 U3.9 ; USB1.A6 50.05,141.86 49.88,142.03 49.17,142.03 49.05,141.9 USB1.B6 49.05,137.14 v2(49.11,137.07)
  Bottom w0.2: U4.1 70.09,131.05 U4.6 ; 50.55,138.84 USB1.B6 ; 50.55,138.84 50.44,138.74 49.64,138.74 49.55,138.84 USB1.A6 ; 50.55,138.84 50.55,137.16 50.45,137.07 v2(49.11,137.07) 49.11,132.69 49.97,131.84 64.76,131.84 65.46,131.15 U4.6
D-: length 110
  Top w0.2: USB1.A7 49.55,138.81 49.62,138.73 50.17,138.73 ; 68.94,133.05 U4.4 ; U4.4 U4.3 72.37,132.32 73,132.32 73.93,133.25 73.93,137.52 80.91,144.5 112.21,144.5 112.77,143.95 112.77,143.38 U3.8 113.48,142.34 112.53,141.39 112.53,125.79 113,125.32 U3.8 ; v2(49.7,136.16) 49.72,136.18 49.72,138.28 50.17,138.73 ; USB1.B7 50.55,138.91 50.36,138.73 50.17,138.73
  Bottom w0.2: U4.4 65.5,133.05 64.71,132.25 50.03,132.25 49.44,132.83 49.44,135.4 49.7,135.66 v2(49.7,136.16) ; USB1.A7 50.05,141.86 49.92,141.99 49.31,141.99 49.05,141.73 USB1.B7 49.05,138.48 49.67,137.86 v2(49.72,137.86)
